# Altium PCB miniBackplane.PcbDoc (part 13 of 24)
Units mil, origin at the board's own origin, x right, y up, seen from the top; angles counter-clockwise.
Board outline 17285.63 x 8582.68 mil, 6 copper layers (Top Layer, Mid-Layer 1, GND, PWR, Mid-Layer 2, Bottom Layer), stack 62.362 mil thick; 519 components, 474 nets, 2434 pads, 1493 vias.
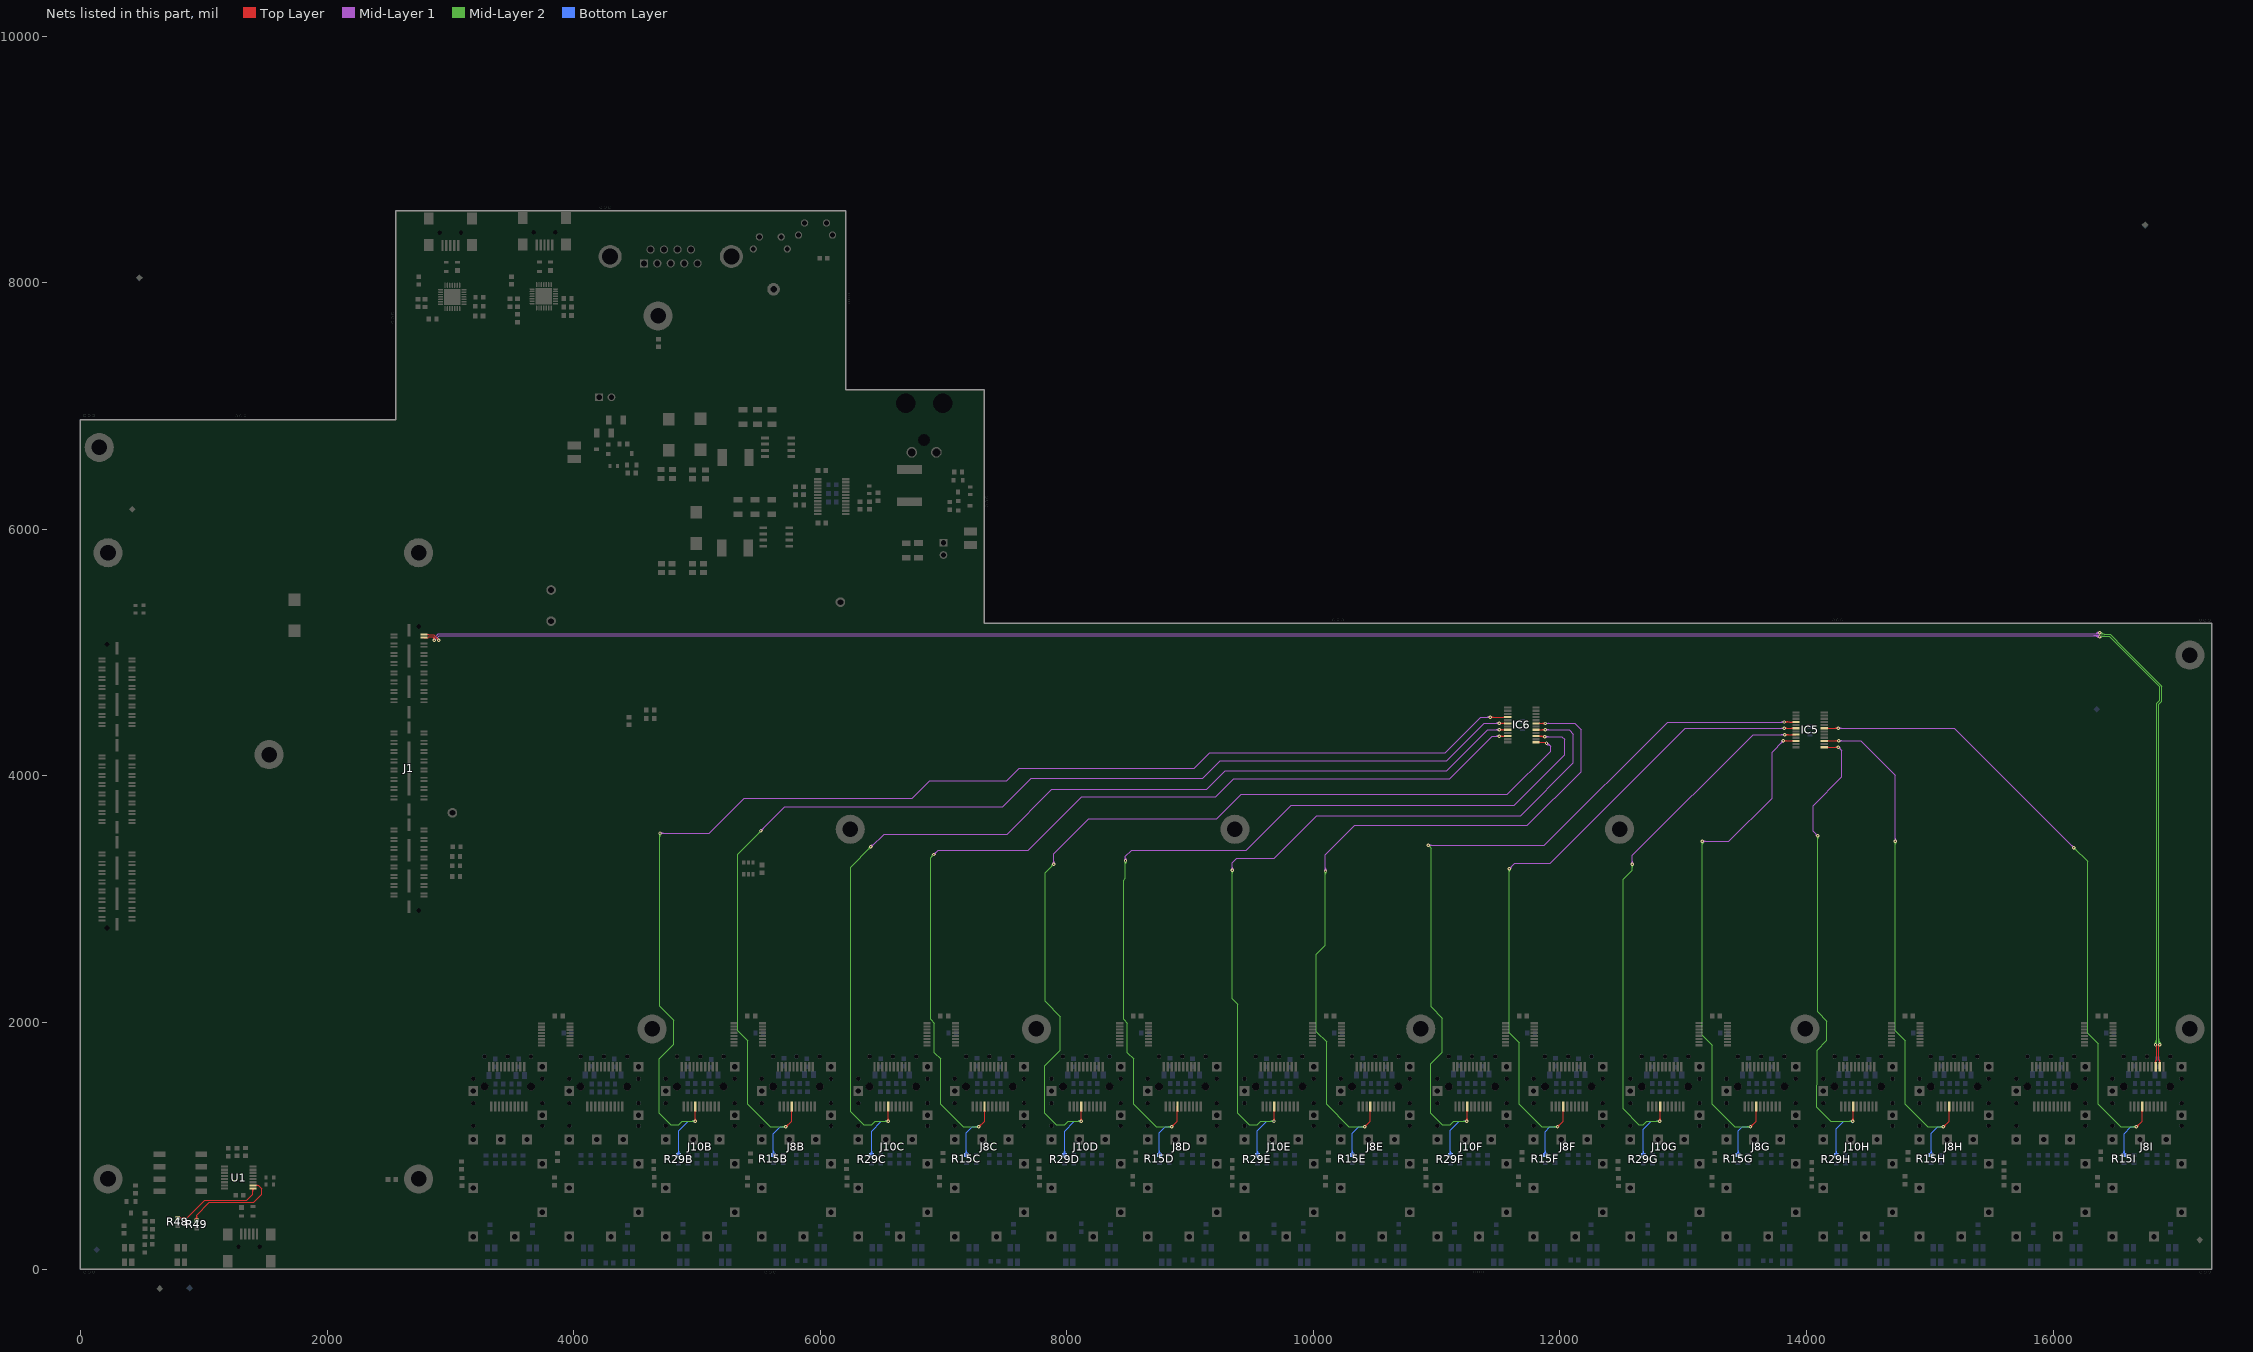
[diagram p17: the nets of this part, all layers, seen from the top]

## Via types
v1: diameter 27.56, hole 11.81, Top Layer to Bottom Layer, tented both sides, 1347 vias
v2: diameter 23.62, hole 11.81, Top Layer to Bottom Layer, tented both sides, 146 vias

## Nets (pads, with @x,y where several pads share a name; then routed paths per layer and width w, separated by ;. In a path a pad name is that pad's centre, name@x,y a point inside that pad or via, vN(x,y) a via of type N, cw(c..) or ccw(c..) an arc to the next point about the centre after c; other vN are vias at no path point) (continued)
I2C_DL_SD1: IC5.19 J8I.4 R15I.1 | length 6227.5
  Top Layer w7.87: IC5.19@14143.27,4386.34 14143.95,4387.02 14258.65,4387.02 v1(14258.86,4386.81) ; v1@16675.3,1155.55 ccw(c16671.53,1173.96) 16689.68,1169.1 ; v1(16675.69,1153.62) 16722.72,1200.65 J8I.4@16722.72,1320.05 ; v1@16677.62,1153.23 cw(c16696.03,1149.46) 16691.17,1167.61 ; 16692.49,1170.42 ccw(c16709.3,1153.62) 16685.54,1153.62 cw(c16709.3,1153.62) 16692.49,1170.42 ; 16692.5,1170.42 cw(c16675.69,1187.23) 16675.69,1163.46 ccw(c16675.69,1187.23) 16692.5,1170.42 ; 16722.72,1274.6 ccw(c16708.46,1274.6) 16718.54,1284.68 cw(c16708.46,1274.6) 16722.72,1274.6 ; 16722.72,1274.6 cw(c16736.97,1274.6) 16726.89,1284.68 ccw(c16736.97,1274.6) 16722.72,1274.6 ; IC5.19@14167.42,4382.86 cw(c14177.47,4372.8) 14177.47,4387.02 ccw(c14177.47,4372.8) IC5.19@14167.42,4382.86 ; IC5.19@14167.42,4389.82 ccw(c14174.16,4396.57) 14174.16,4387.02 cw(c14174.16,4396.57) IC5.19@14167.42,4389.82 ; 14234.58,4387.02 cw(c14234.58,4362.54) 14251.9,4379.85 ccw(c14234.58,4362.54) 14234.58,4387.02 ; 14235.61,4387.02 ccw(c14235.61,4410.06) 14251.9,4393.77 cw(c14235.61,4410.06) 14235.61,4387.02
  Mid-Layer 1 w7.09: v1@14258.86,4386.34 15200.28,4386.34 v1(16169.29,3417.32) ; 16151.82,3434.8 ccw(c16169.29,3452.27) 16169.29,3427.56 cw(c16169.29,3452.27) 16151.82,3434.8 ; 16151.82,3434.8 cw(c16134.34,3417.32) 16159.06,3417.32 ccw(c16134.34,3417.32) 16151.82,3434.8 ; v1@14266.1,4379.57 cw(c14282.43,4363.24) 14282.43,4386.34 ccw(c14282.43,4363.24) v1@14266.1,4379.57 ; v1@14266.1,4394.05 ccw(c14284.71,4412.66) 14284.71,4386.34 cw(c14284.71,4412.66) v1@14266.1,4394.05
  Mid-Layer 2 w7.09: v1(16169.29,3417.32) 16280.71,3305.91 16280.71,1913.61 16366.75,1827.57 16366.75,1335.56 16548.68,1153.62 16575.69,1153.62 v1(16675.69,1153.62) ; 16186.77,3399.85 ccw(c16169.29,3382.37) 16169.29,3407.09 cw(c16169.29,3382.37) 16186.77,3399.85 ; 16186.77,3399.85 cw(c16204.24,3417.32) 16179.53,3417.32 ccw(c16204.24,3417.32) 16186.77,3399.85 ; 16650.98,1153.62 ccw(c16650.98,1178.33) 16668.45,1160.86 cw(c16650.98,1178.33) 16650.98,1153.62 ; 16650.98,1153.62 cw(c16650.98,1128.91) 16668.45,1146.38 ccw(c16650.98,1128.91) 16650.98,1153.62
  Bottom Layer w7.87: R15I.1@16575.69,918.62 R15I.1@16575.69,925.12 16575.69,1099.31 16630,1153.62 v1(16675.69,1153.62) ; 16575.69,958.38 ccw(c16608.96,958.38) 16585.44,934.86 cw(c16608.96,958.38) 16575.69,958.38 ; 16575.69,958.38 cw(c16542.43,958.38) 16565.95,934.86 ccw(c16542.43,958.38) 16575.69,958.38 ; 16651.93,1153.62 ccw(c16651.93,1177.38) 16668.73,1160.58 cw(c16651.93,1177.38) 16651.93,1153.62 ; 16651.93,1153.62 cw(c16651.93,1129.86) 16668.73,1146.66 ccw(c16651.93,1129.86) 16651.93,1153.62
I2C_DL_SD2: IC5.13 J10H.4 R29H.1 | length 4775.5
  Top Layer w7.87: IC5.13@14143.27,4232.8 v1(14259.12,4232.8) ; v1@14377.72,1200.65 J10H.4@14377.72,1320.05 ; 14175.82,4232.8 ccw(c14175.82,4220.91) 14167.42,4229.32 cw(c14175.82,4220.91) 14175.82,4232.8 ; 14175.82,4232.8 cw(c14175.82,4244.68) 14167.42,4236.28 ccw(c14175.82,4244.68) 14175.82,4232.8 ; 14235.36,4232.8 ccw(c14235.36,4256.56) 14252.16,4239.75 cw(c14235.36,4256.56) 14235.36,4232.8 ; 14235.36,4232.8 cw(c14235.36,4209.03) 14252.16,4225.84 ccw(c14235.36,4209.03) 14235.36,4232.8 ; 14377.72,1274.6 ccw(c14363.46,1274.6) 14373.54,1284.68 cw(c14363.46,1274.6) 14377.72,1274.6 ; 14377.72,1274.6 cw(c14391.97,1274.6) 14381.89,1284.68 ccw(c14391.97,1274.6) 14377.72,1274.6 ; v1@14368.73,1205.58 ccw(c14347.05,1227.27) 14377.72,1227.27 cw(c14347.05,1227.27) v1@14368.73,1205.58 ; 14377.72,1217.5 ccw(c14394.57,1217.5) 14382.65,1205.58 cw(c14394.57,1217.5) 14377.72,1217.5
  Mid-Layer 1 w7.09: v1(14090.55,3515.75) 14055.12,3551.18 14055.12,3759.84 14287.4,3992.13 14287.4,4204.51 v1(14259.12,4232.8) ; 14073.08,3533.22 ccw(c14090.55,3550.7) 14090.55,3525.98 cw(c14090.55,3550.7) 14073.08,3533.22 ; 14073.08,3533.22 cw(c14055.6,3515.75) 14080.31,3515.75 ccw(c14055.6,3515.75) 14073.08,3533.22 ; 14276.59,4215.32 ccw(c14259.12,4197.85) 14259.12,4222.56 cw(c14259.12,4197.85) 14276.59,4215.32 ; 14276.59,4215.32 cw(c14294.07,4232.8) 14269.35,4232.8 ccw(c14294.07,4232.8) 14276.59,4215.32
  Mid-Layer 2 w7.09: 14085.2,1491.84 14085.2,1312.11 14198.68,1198.62 v1(14375.69,1198.62) ; 14086.75,1493.4 14086.75,1775.76 14165.35,1854.36 14165.35,2011.81 14090.71,2086.46 v1@14090.71,3515.75 ; 14350.98,1198.62 ccw(c14350.98,1223.33) 14368.45,1205.86 cw(c14350.98,1223.33) 14350.98,1198.62 ; 14350.98,1198.62 cw(c14350.98,1173.91) 14368.45,1191.38 ccw(c14350.98,1173.91) 14350.98,1198.62 ; v1@14083.31,3508.51 cw(c14065.46,3490.66) 14090.71,3490.66 ccw(c14065.46,3490.66) v1@14083.31,3508.51 ; 14090.71,3491.42 cw(c14114.88,3491.42) 14097.79,3508.51 ccw(c14114.88,3491.42) 14090.71,3491.42
  Bottom Layer w7.87: R29H.1@14241.38,922.53 14241.38,1138.03 14301.18,1197.83 14362.2,1197.83 v1@14373.03,1187.01 ; 14241.38,955.79 ccw(c14274.64,955.79) 14251.12,932.27 cw(c14274.64,955.79) 14241.38,955.79 ; 14241.38,955.79 cw(c14208.11,955.79) 14231.63,932.27 ccw(c14208.11,955.79) 14241.38,955.79 ; 14350.03,1197.83 ccw(c14350.03,1224.28) 14368.73,1205.58 cw(c14350.03,1224.28) 14350.03,1197.83 ; 14353.83,1197.83 cw(c14353.83,1176.76) 14368.73,1191.66 ccw(c14353.83,1176.76) 14353.83,1197.83
I2C_DL_SD3: IC5.15 J8H.4 R15H.1 | length 5032.1
  Top Layer w7.87: IC5.15@14143.27,4283.98 14261.3,4283.98 v1(14261.81,4283.46) ; v1@15110.3,1155.55 ccw(c15106.53,1173.96) 15124.68,1169.1 ; v1(15110.69,1153.62) 15157.72,1200.65 J8H.4@15157.72,1320.05 ; v1@15112.62,1153.23 cw(c15131.03,1149.46) 15126.17,1167.61 ; 14175.82,4283.98 ccw(c14175.82,4272.1) 14167.42,4280.5 cw(c14175.82,4272.1) 14175.82,4283.98 ; 14175.82,4283.98 cw(c14175.82,4295.86) 14167.42,4287.46 ccw(c14175.82,4295.86) 14175.82,4283.98 ; 15127.49,1170.42 ccw(c15144.3,1153.62) 15120.54,1153.62 cw(c15144.3,1153.62) 15127.49,1170.42 ; 15127.5,1170.42 cw(c15110.69,1187.23) 15110.69,1163.46 ccw(c15110.69,1187.23) 15127.5,1170.42 ; 15157.72,1274.6 ccw(c15143.46,1274.6) 15153.54,1284.68 cw(c15143.46,1274.6) 15157.72,1274.6 ; 15157.72,1274.6 cw(c15171.97,1274.6) 15161.89,1284.68 ccw(c15171.97,1274.6) 15157.72,1274.6 ; 14236.81,4283.98 cw(c14236.81,4258.47) 14254.85,4276.5 ccw(c14236.81,4258.47) 14236.81,4283.98 ; 14239.28,4283.98 ccw(c14239.28,4305.99) 14254.85,4290.42 cw(c14239.28,4305.99) 14239.28,4283.98
  Mid-Layer 1 w7.09: v1@14261.81,4283.98 14440.43,4283.98 14720.71,4003.7 v1(14720.71,3468.5) ; 14720.71,3493.22 ccw(c14745.42,3493.22) 14727.95,3475.74 cw(c14745.42,3493.22) 14720.71,3493.22 ; 14720.71,3493.22 cw(c14696,3493.22) 14713.47,3475.74 ccw(c14696,3493.22) 14720.71,3493.22 ; v1@14269.05,4276.23 cw(c14287.76,4257.52) 14287.76,4283.98 ccw(c14287.76,4257.52) v1@14269.05,4276.23 ; v1@14269.05,4290.7 ccw(c14285.29,4306.94) 14285.29,4283.98 cw(c14285.29,4306.94) v1@14269.05,4290.7
  Mid-Layer 2 w7.09: v1(14720.71,3468.5) 14720.71,1931.43 14801.75,1850.39 14801.75,1335.56 14983.68,1153.62 15010.69,1153.62 v1(15110.69,1153.62) ; 14720.71,3443.79 ccw(c14696,3443.79) 14713.47,3461.27 cw(c14696,3443.79) 14720.71,3443.79 ; 14720.71,3443.79 cw(c14745.42,3443.79) 14727.95,3461.27 ccw(c14745.42,3443.79) 14720.71,3443.79 ; 15085.98,1153.62 ccw(c15085.98,1178.33) 15103.45,1160.86 cw(c15085.98,1178.33) 15085.98,1153.62 ; 15085.98,1153.62 cw(c15085.98,1128.91) 15103.45,1146.38 ccw(c15085.98,1128.91) 15085.98,1153.62
  Bottom Layer w7.87: R15H.1@15010.69,918.62 R15H.1@15010.69,925.12 15010.69,1100.26 15064.06,1153.62 v1(15110.69,1153.62) ; 15010.69,958.38 ccw(c15043.96,958.38) 15020.44,934.86 cw(c15043.96,958.38) 15010.69,958.38 ; 15010.69,958.38 cw(c14977.43,958.38) 15000.95,934.86 ccw(c14977.43,958.38) 15010.69,958.38 ; 15086.93,1153.62 ccw(c15086.93,1177.38) 15103.73,1160.58 cw(c15086.93,1177.38) 15086.93,1153.62 ; 15086.93,1153.62 cw(c15086.93,1129.86) 15103.73,1146.66 ccw(c15086.93,1129.86) 15086.93,1153.62
I2C_DL_SD4: IC5.8 J10G.4 R29G.1 | length 5395.7
  Top Layer w7.87: v1@12812.72,1200.65 J10G.4@12812.72,1320.05 ; v1(13822.83,4333.66) 13824.8,4335.63 IC5.8@13914.45,4335.63 ; 12812.72,1274.6 ccw(c12798.46,1274.6) 12808.54,1284.68 cw(c12798.46,1274.6) 12812.72,1274.6 ; 12812.72,1274.6 cw(c12826.97,1274.6) 12816.89,1284.68 ccw(c12826.97,1274.6) 12812.72,1274.6 ; v1@12803.73,1205.58 ccw(c12782.05,1227.27) 12812.72,1227.27 cw(c12782.05,1227.27) v1@12803.73,1205.58 ; 12812.72,1217.5 ccw(c12829.57,1217.5) 12817.65,1205.58 cw(c12829.57,1217.5) 12812.72,1217.5 ; v1@13829.79,4326.7 cw(c13851.35,4305.15) 13851.35,4335.63 ccw(c13851.35,4305.15) v1@13829.79,4326.7 ; v1@13829.79,4340.62 ccw(c13841.84,4352.67) 13841.84,4335.63 cw(c13841.84,4352.67) v1@13829.79,4340.62 ; 13881.23,4335.63 cw(c13881.23,4322.14) 13890.77,4331.68 ccw(c13881.23,4322.14) 13881.23,4335.63 ; 13883.51,4335.63 ccw(c13883.51,4345.9) 13890.77,4338.64 cw(c13883.51,4345.9) 13883.51,4335.63
  Mid-Layer 1 w7.09: v1(12586.61,3283.46) 12586.61,3354.33 13566.93,4334.65 v1@13822.83,4334.65 ; 12586.61,3308.18 ccw(c12611.33,3308.18) 12593.85,3290.7 cw(c12611.33,3308.18) 12586.61,3308.18 ; 12586.61,3308.18 cw(c12561.9,3308.18) 12579.38,3290.7 ccw(c12561.9,3308.18) 12586.61,3308.18 ; 13795.75,4334.65 cw(c13795.75,4306.57) 13815.6,4326.42 ccw(c13795.75,4306.57) 13795.75,4334.65 ; 13800.5,4334.65 ccw(c13800.5,4356) 13815.6,4340.9 cw(c13800.5,4356) 13800.5,4334.65
  Mid-Layer 2 w7.09: v1(12586.61,3283.46) 12586.61,3236.22 12512.8,3162.4 12512.8,1298.23 12640.09,1170.93 12676.38,1170.93 ; 12676.38,1170.19 12704.81,1198.62 v1(12810.69,1198.62) ; 12586.61,3258.75 ccw(c12561.9,3258.75) 12579.38,3276.23 cw(c12561.9,3258.75) 12586.61,3258.75 ; 12586.61,3258.75 cw(c12611.33,3258.75) 12593.85,3276.23 ccw(c12611.33,3258.75) 12586.61,3258.75 ; 12785.98,1198.62 ccw(c12785.98,1223.33) 12803.45,1205.86 cw(c12785.98,1223.33) 12785.98,1198.62 ; 12785.98,1198.62 cw(c12785.98,1173.91) 12803.45,1191.38 ccw(c12785.98,1173.91) 12785.98,1198.62
  Bottom Layer w7.87: R29G.1@12676.38,922.53 12676.38,1132.09 12742.91,1198.62 v1(12810.69,1198.62) ; 12676.38,955.79 ccw(c12709.64,955.79) 12686.12,932.27 cw(c12709.64,955.79) 12676.38,955.79 ; 12676.38,955.79 cw(c12643.11,955.79) 12666.63,932.27 ccw(c12643.11,955.79) 12676.38,955.79 ; 12786.93,1198.62 ccw(c12786.93,1222.38) 12803.73,1205.58 cw(c12786.93,1222.38) 12786.93,1198.62 ; 12786.93,1198.62 cw(c12786.93,1174.86) 12803.73,1191.66 ccw(c12786.93,1174.86) 12786.93,1198.62
I2C_DL_SD5: IC5.10 J8G.4 R15G.1 | length 5103.2
  Top Layer w7.87: v1@13545.3,1155.55 ccw(c13541.53,1173.96) 13559.68,1169.1 ; v1(13545.69,1153.62) 13592.72,1200.65 J8G.4@13592.72,1320.05 ; v1@13547.62,1153.23 cw(c13566.03,1149.46) 13561.17,1167.61 ; v1(13811.02,4283.46) IC5.10@13893.7,4283.46 ; 13562.49,1170.42 ccw(c13579.3,1153.62) 13555.54,1153.62 cw(c13579.3,1153.62) 13562.49,1170.42 ; 13562.5,1170.42 cw(c13545.69,1187.23) 13545.69,1163.46 ccw(c13545.69,1187.23) 13562.5,1170.42 ; 13592.72,1274.6 ccw(c13578.46,1274.6) 13588.54,1284.68 cw(c13578.46,1274.6) 13592.72,1274.6 ; 13592.72,1274.6 cw(c13606.97,1274.6) 13596.89,1284.68 ccw(c13606.97,1274.6) 13592.72,1274.6 ; 13834.79,4283.46 ccw(c13834.79,4259.7) 13817.98,4276.5 cw(c13834.79,4259.7) 13834.79,4283.46 ; 13834.79,4283.46 cw(c13834.79,4307.23) 13817.98,4290.42 ccw(c13834.79,4307.23) 13834.79,4283.46 ; 13881.14,4283.46 ccw(c13881.14,4297.09) 13890.77,4287.46 cw(c13881.14,4297.09) 13881.14,4283.46 ; 13883.61,4283.46 cw(c13883.61,4273.33) 13890.77,4280.5 ccw(c13883.61,4273.33) 13883.61,4283.46
  Mid-Layer 1 w7.09: v1@13161.42,3468.5 13368.31,3468.5 13720.47,3820.67 13720.47,4192.91 v1(13811.02,4283.46) ; 13180.42,3468.5 ccw(c13180.42,3443.79) 13162.95,3461.27 cw(c13180.42,3443.79) 13180.42,3468.5 ; 13180.42,3468.5 cw(c13180.42,3493.22) 13162.95,3475.74 ccw(c13180.42,3493.22) 13180.42,3468.5 ; 13793.55,4265.99 ccw(c13776.08,4283.46) 13800.79,4283.46 cw(c13776.08,4283.46) 13793.55,4265.99 ; 13793.55,4265.99 cw(c13811.02,4248.52) 13811.02,4273.23 ccw(c13811.02,4248.52) 13793.55,4265.99
  Mid-Layer 2 w7.09: v1(13155.71,3468.5) 13155.71,1896 13236.75,1814.96 13236.75,1335.56 13418.68,1153.62 13445.69,1153.62 v1(13545.69,1153.62) ; 13155.71,3443.79 ccw(c13131,3443.79) 13148.47,3461.27 cw(c13131,3443.79) 13155.71,3443.79 ; 13155.71,3443.79 cw(c13180.42,3443.79) 13162.95,3461.27 ccw(c13180.42,3443.79) 13155.71,3443.79 ; 13520.98,1153.62 ccw(c13520.98,1178.33) 13538.45,1160.86 cw(c13520.98,1178.33) 13520.98,1153.62 ; 13520.98,1153.62 cw(c13520.98,1128.91) 13538.45,1146.38 ccw(c13520.98,1128.91) 13520.98,1153.62
  Bottom Layer w7.87: R15G.1@13445.69,918.62 R15G.1@13445.69,925.12 13445.69,1120.89 13478.43,1153.62 v1(13545.69,1153.62) ; 13445.69,958.38 ccw(c13478.96,958.38) 13455.44,934.86 cw(c13478.96,958.38) 13445.69,958.38 ; 13445.69,958.38 cw(c13412.43,958.38) 13435.95,934.86 ccw(c13412.43,958.38) 13445.69,958.38 ; 13521.93,1153.62 ccw(c13521.93,1177.38) 13538.73,1160.58 cw(c13521.93,1177.38) 13521.93,1153.62 ; 13521.93,1153.62 cw(c13521.93,1129.86) 13538.73,1146.66 ccw(c13521.93,1129.86) 13521.93,1153.62
I2C_DL_SD6: IC5.4 J10F.4 R29F.1 | length 7209.1
  Top Layer w7.87: v1@11247.72,1200.65 J10F.4@11247.72,1320.05 ; v1(13820.87,4437.01) 13822.07,4438.21 13862.65,4438.21 13863.85,4437.01 13914.41,4437.01 IC5.4@13914.92,4437.52 ; 11247.72,1274.6 ccw(c11233.46,1274.6) 11243.54,1284.68 cw(c11233.46,1274.6) 11247.72,1274.6 ; 11247.72,1274.6 cw(c11261.97,1274.6) 11251.89,1284.68 ccw(c11261.97,1274.6) 11247.72,1274.6 ; v1@11238.73,1205.58 ccw(c11217.05,1227.27) 11247.72,1227.27 cw(c11217.05,1227.27) v1@11238.73,1205.58 ; 11247.72,1217.5 ccw(c11264.57,1217.5) 11252.65,1205.58 cw(c11264.57,1217.5) 11247.72,1217.5 ; v1@13827.83,4430.05 cw(c13847.52,4410.35) 13847.52,4438.21 ccw(c13847.52,4410.35) v1@13827.83,4430.05 ; v1@13827.83,4443.97 ccw(c13841.73,4457.87) 13841.73,4438.21 cw(c13841.73,4457.87) v1@13827.83,4443.97 ; 13881.14,4437.01 ccw(c13881.14,4450.64) 13890.77,4441 cw(c13881.14,4450.64) 13881.14,4437.01 ; 13883.61,4437.01 cw(c13883.61,4426.87) 13890.77,4434.04 ccw(c13883.61,4426.87) 13883.61,4437.01
  Mid-Layer 1 w7.09: v1(10933.07,3437.01) 11874.02,3437.01 12874.02,4437.01 v1(13820.87,4437.01) ; 10957.78,3437.01 ccw(c10957.78,3412.3) 10940.31,3429.77 cw(c10957.78,3412.3) 10957.78,3437.01 ; 10957.78,3437.01 cw(c10957.78,3461.72) 10940.31,3444.25 ccw(c10957.78,3461.72) 10957.78,3437.01 ; 13796.15,4437.01 ccw(c13796.15,4461.72) 13813.63,4444.25 cw(c13796.15,4461.72) 13796.15,4437.01 ; 13796.15,4437.01 cw(c13796.15,4412.3) 13813.63,4429.77 ccw(c13796.15,4412.3) 13796.15,4437.01
  Mid-Layer 2 w7.09: v1(10933.07,3437.01) 10955.71,3414.37 10955.71,2126.97 11047.24,2035.43 11047.24,1759.87 10951.75,1664.38 10951.75,1265.56 11046.38,1170.93 11111.38,1170.93 ; 11111.38,1170.19 11139.81,1198.62 v1(11245.69,1198.62) ; 10950.55,3419.53 ccw(c10933.07,3402.06) 10933.07,3426.77 cw(c10933.07,3402.06) 10950.55,3419.53 ; 10950.55,3419.53 cw(c10968.02,3437.01) 10943.31,3437.01 ccw(c10968.02,3437.01) 10950.55,3419.53 ; 11220.98,1198.62 ccw(c11220.98,1223.33) 11238.45,1205.86 cw(c11220.98,1223.33) 11220.98,1198.62 ; 11220.98,1198.62 cw(c11220.98,1173.91) 11238.45,1191.38 ccw(c11220.98,1173.91) 11220.98,1198.62
  Bottom Layer w7.87: R29F.1@11111.38,922.53 11111.38,1126.38 11183.62,1198.62 v1(11245.69,1198.62) ; 11111.38,955.79 ccw(c11144.64,955.79) 11121.12,932.27 cw(c11144.64,955.79) 11111.38,955.79 ; 11111.38,955.79 cw(c11078.11,955.79) 11101.63,932.27 ccw(c11078.11,955.79) 11111.38,955.79 ; 11221.93,1198.62 ccw(c11221.93,1222.38) 11238.73,1205.58 cw(c11221.93,1222.38) 11221.93,1198.62 ; 11221.93,1198.62 cw(c11221.93,1174.86) 11238.73,1191.66 ccw(c11221.93,1174.86) 11221.93,1198.62
I2C_DL_SD7: IC5.6 J8F.4 R15F.1 | length 6370.6
  Top Layer w7.87: v1@11980.3,1155.55 ccw(c11976.53,1173.96) 11994.68,1169.1 ; v1(11980.69,1153.62) 12027.72,1200.65 J8F.4@12027.72,1320.05 ; v1@11982.62,1153.23 cw(c12001.03,1149.46) 11996.17,1167.61 ; v1(13820.87,4386.81) 13841.24,4386.81 ; IC5.6@13914.92,4386.34 13863.34,4386.34 13862.65,4387.02 13841.45,4387.02 13841.24,4386.81 ; 11997.49,1170.42 ccw(c12014.3,1153.62) 11990.54,1153.62 cw(c12014.3,1153.62) 11997.49,1170.42 ; 11997.5,1170.42 cw(c11980.69,1187.23) 11980.69,1163.46 ccw(c11980.69,1187.23) 11997.5,1170.42 ; 12027.72,1274.6 ccw(c12013.46,1274.6) 12023.54,1284.68 cw(c12013.46,1274.6) 12027.72,1274.6 ; 12027.72,1274.6 cw(c12041.97,1274.6) 12031.89,1284.68 ccw(c12041.97,1274.6) 12027.72,1274.6 ; 13841.24,4386.81 ccw(c13841.24,4370.64) 13828.58,4380.69 cw(c13841.24,4370.64) 13841.24,4386.81 ; 13841.24,4386.81 cw(c13841.24,4402.98) 13828.58,4392.93 ccw(c13841.24,4402.98) 13841.24,4386.81 ; 13882.37,4386.34 ccw(c13882.37,4398.22) 13890.77,4389.82 cw(c13882.37,4398.22) 13882.37,4386.34 ; 13882.37,4386.34 cw(c13882.37,4374.46) 13890.77,4382.86 ccw(c13882.37,4374.46) 13882.37,4386.34
  Mid-Layer 1 w7.09: v1(11590.71,3248.03) 11634.02,3291.34 11921.26,3291.34 13015.75,4385.83 v1@13820.87,4385.83 ; 11608.18,3265.51 ccw(c11625.66,3248.03) 11600.94,3248.03 cw(c11625.66,3248.03) 11608.18,3265.51 ; 11608.18,3265.51 cw(c11590.71,3282.98) 11590.71,3258.27 ccw(c11590.71,3282.98) 11608.18,3265.51 ; 13793.78,4385.83 ccw(c13793.78,4413.9) 13813.63,4394.05 cw(c13793.78,4413.9) 13793.78,4385.83 ; 13798.53,4385.83 cw(c13798.53,4364.47) 13813.63,4379.57 ccw(c13798.53,4364.47) 13798.53,4385.83
  Mid-Layer 2 w7.09: v1(11590.71,3248.03) 11590.71,1917.17 11671.75,1836.13 11671.75,1335.56 11853.68,1153.62 11880.69,1153.62 v1(11980.69,1153.62) ; 11590.71,3223.32 ccw(c11566,3223.32) 11583.47,3240.79 cw(c11566,3223.32) 11590.71,3223.32 ; 11590.71,3223.32 cw(c11615.42,3223.32) 11597.95,3240.79 ccw(c11615.42,3223.32) 11590.71,3223.32 ; 11955.98,1153.62 ccw(c11955.98,1178.33) 11973.45,1160.86 cw(c11955.98,1178.33) 11955.98,1153.62 ; 11955.98,1153.62 cw(c11955.98,1128.91) 11973.45,1146.38 ccw(c11955.98,1128.91) 11955.98,1153.62
  Bottom Layer w7.87: R15F.1@11880.69,918.62 R15F.1@11880.69,925.12 11880.69,1114.69 11919.62,1153.62 v1(11980.69,1153.62) ; 11880.69,958.38 ccw(c11913.96,958.38) 11890.44,934.86 cw(c11913.96,958.38) 11880.69,958.38 ; 11880.69,958.38 cw(c11847.43,958.38) 11870.95,934.86 ccw(c11847.43,958.38) 11880.69,958.38 ; 11956.93,1153.62 ccw(c11956.93,1177.38) 11973.73,1160.58 cw(c11956.93,1177.38) 11956.93,1153.62 ; 11956.93,1153.62 cw(c11956.93,1129.86) 11973.73,1146.66 ccw(c11956.93,1129.86) 11956.93,1153.62
I2C_DL_SD8: IC6.17 J10E.4 R29E.1 | length 7257
  Top Layer w7.87: v1@9683.15,1200.65 J10E.4@9683.15,1320.05 ; IC6.17@11805.75,4374.53 v1@11881.19,4374.53 ; 9683.15,1274.6 ccw(c9668.89,1274.6) 9678.97,1284.68 cw(c9668.89,1274.6) 9683.15,1274.6 ; 9683.15,1274.6 cw(c9697.41,1274.6) 9687.33,1284.68 ccw(c9697.41,1274.6) 9683.15,1274.6 ; 11838.3,4374.53 ccw(c11838.3,4362.65) 11829.9,4371.05 cw(c11838.3,4362.65) 11838.3,4374.53 ; 11838.3,4374.53 cw(c11838.3,4386.41) 11829.9,4378.01 ccw(c11838.3,4386.41) 11838.3,4374.53 ; v1@9674.17,1205.58 ccw(c9652.48,1227.27) 9683.15,1227.27 cw(c9652.48,1227.27) v1@9674.17,1205.58 ; 9683.15,1217.5 ccw(c9700,1217.5) 9688.09,1205.58 cw(c9700,1217.5) 9683.15,1217.5 ; 11855.61,4374.53 cw(c11855.61,4346.39) 11875.51,4366.29 ccw(c11855.61,4346.39) 11855.61,4374.53 ; 11861.8,4374.53 ccw(c11861.8,4393.91) 11875.51,4380.2 cw(c11861.8,4393.91) 11861.8,4374.53
  Mid-Layer 1 w7.09: v1(9342.52,3236.22) 9342.52,3295.28 9377.95,3330.71 9681.1,3330.71 10027.56,3677.17 11681.1,3677.17 12110.24,4106.3 12110.24,4339.57 12075.28,4374.53 11882.87,4374.53 11882.47,4374.12 v1(11882.47,4373.24) v1@11881.19,4374.53 ; 9342.52,3260.93 ccw(c9367.23,3260.93) 9349.76,3243.46 cw(c9367.23,3260.93) 9342.52,3260.93 ; 9342.52,3260.93 cw(c9317.81,3260.93) 9335.28,3243.46 ccw(c9317.81,3260.93) 9342.52,3260.93 ; v1@11889.71,4366.01 cw(c11910.28,4345.44) 11910.28,4374.53 ccw(c11910.28,4345.44) v1@11889.71,4366.01 ; v1@11889.71,4380.48 ccw(c11904.09,4394.86) 11904.09,4374.53 cw(c11904.09,4394.86) v1@11889.71,4380.48